# Altium PCB AMS_Master_A2.PcbDoc (part 2 of 2)
Units mm, origin at the board's own origin, x right, y up, seen from the top; angles counter-clockwise.
Board outline 126.75 x 132.97 mm, 4 copper layers (Top Layer, Int1 (GND), Int2 (PWR), Bottom Layer), stack 1.369 mm thick; 194 components, 123 nets, 628 pads, 351 vias.
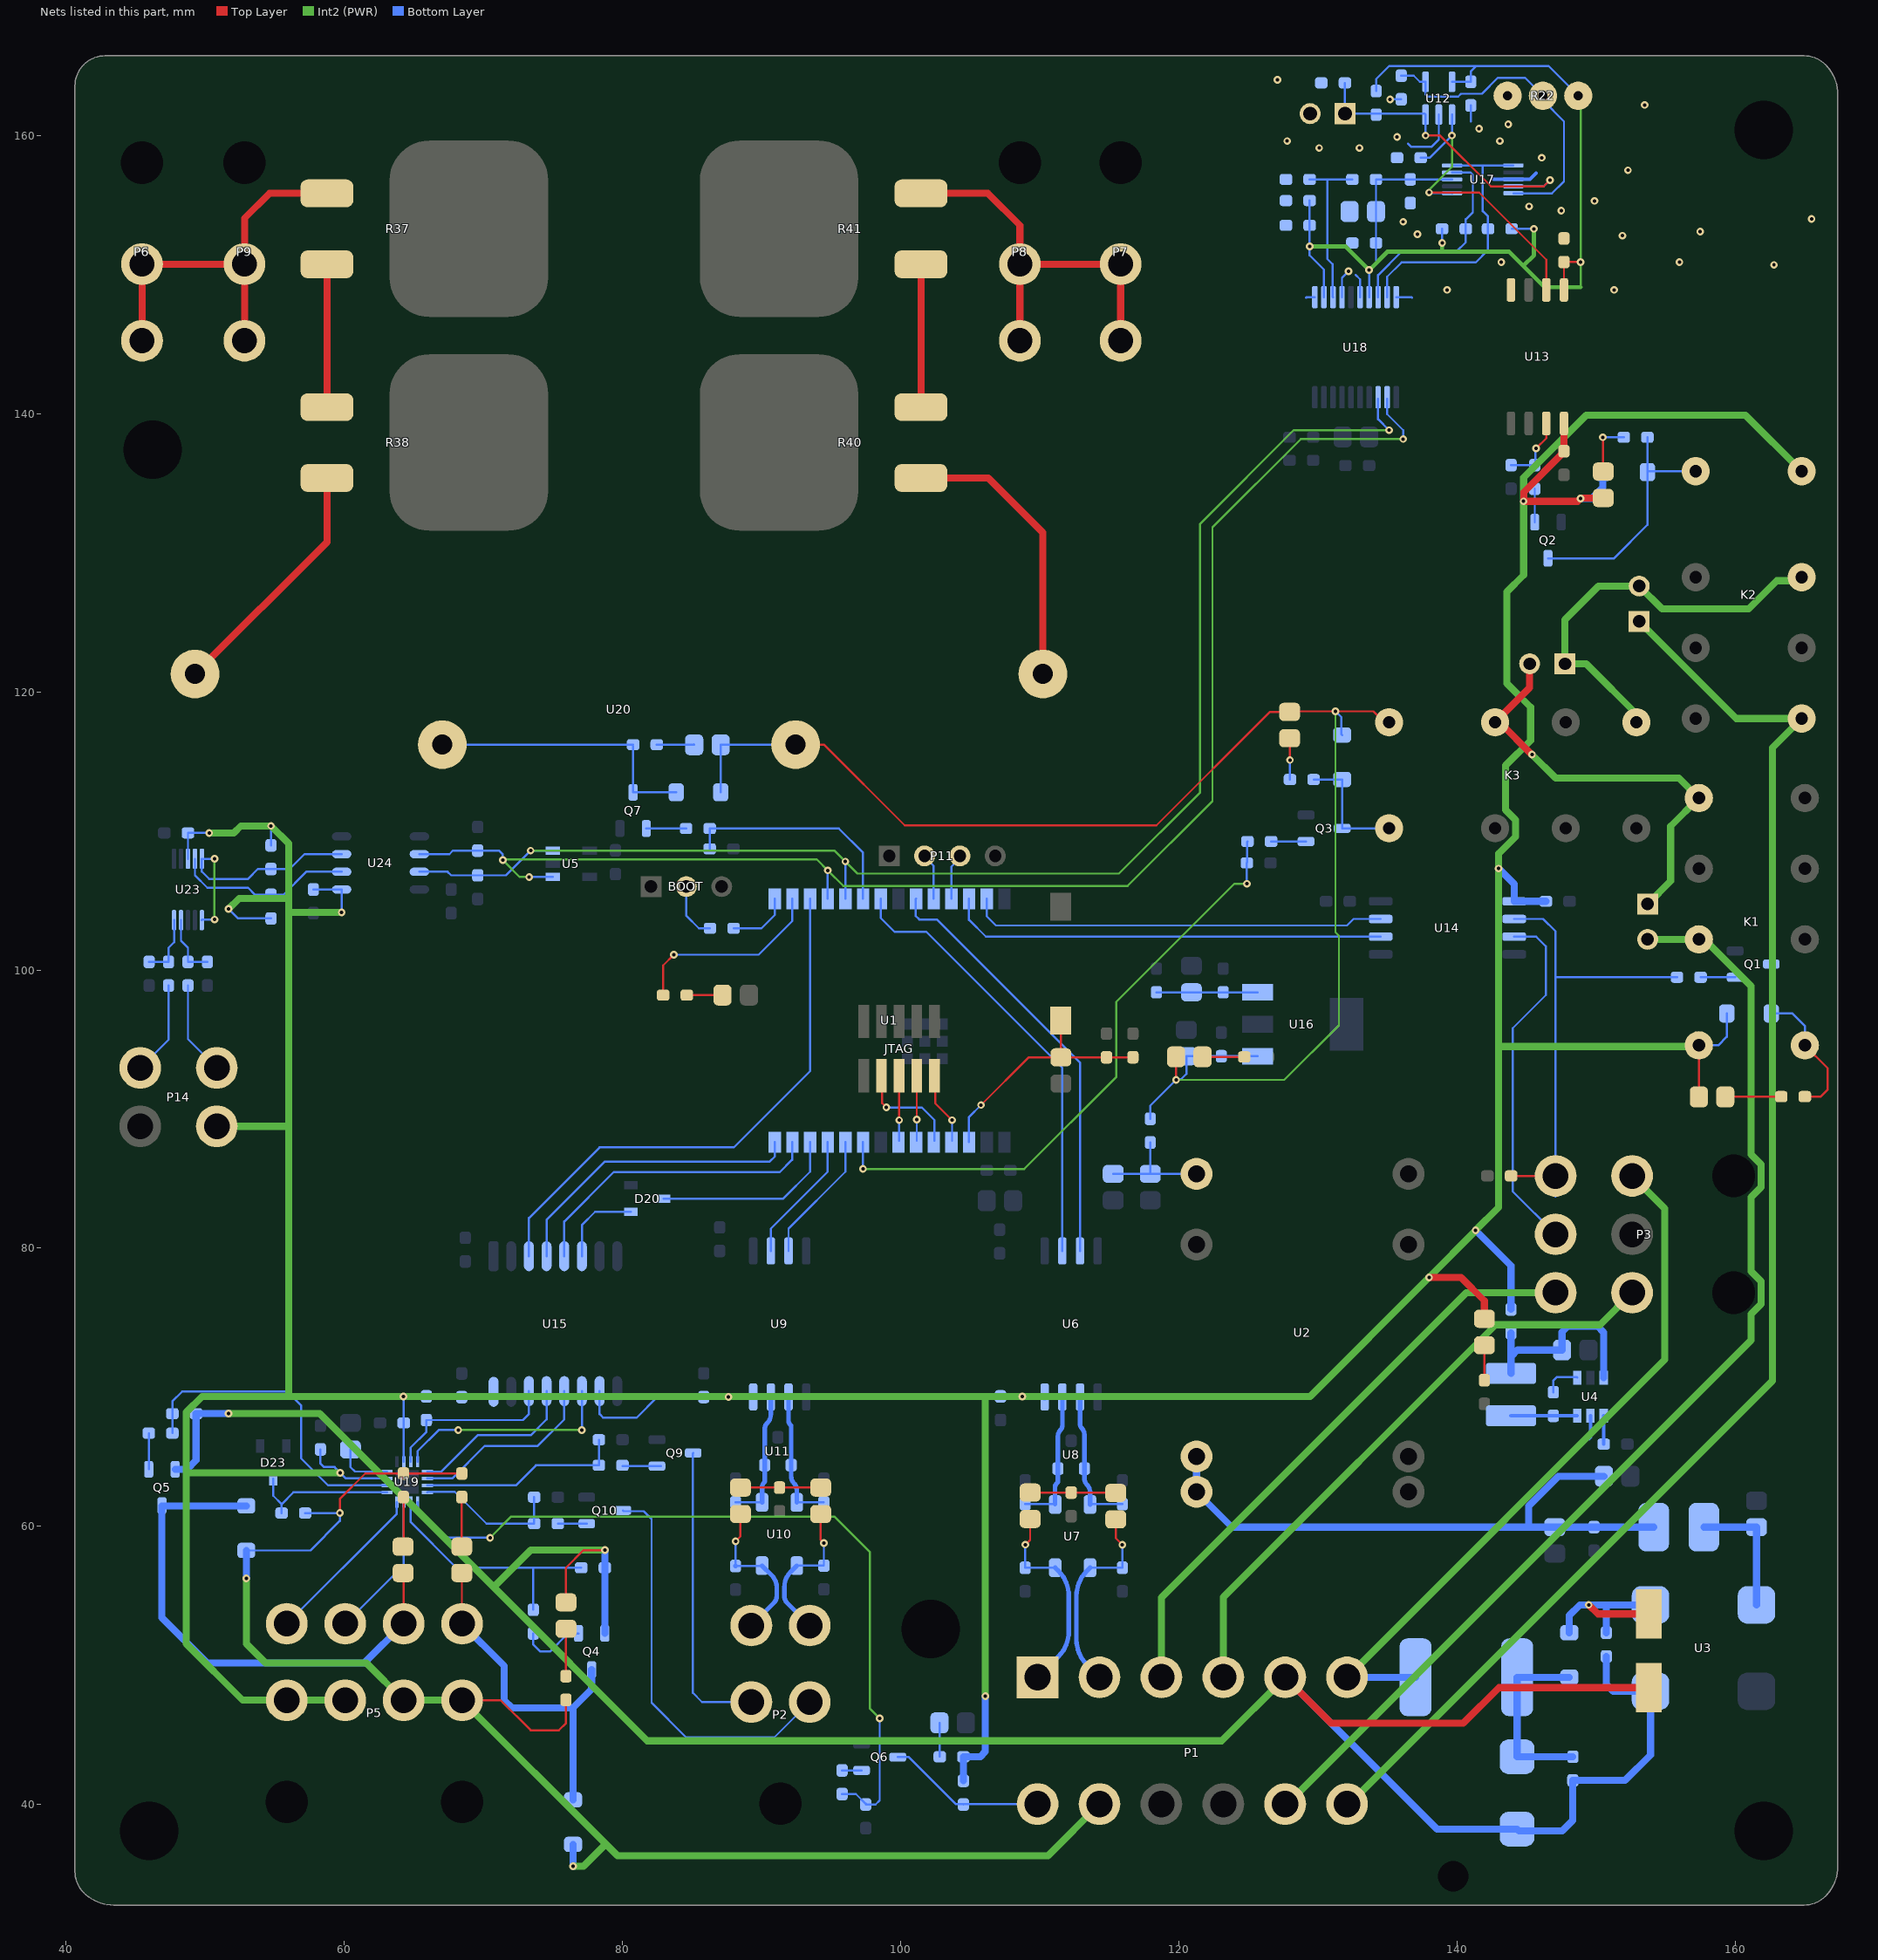
[diagram p4: the nets of this part, all layers, seen from the top]

## Via types
v1: diameter 0.55, hole 0.25, Top Layer to Bottom Layer, 351 vias

## Nets (pads, with @x,y where several pads share a name; then routed paths per layer and width w, separated by ;. In a path a pad name is that pad's centre, name@x,y a point inside that pad or via, vN(x,y) a via of type N, cw(c..) or ccw(c..) an arc to the next point about the centre after c; other vN are vias at no path point) (continued)
5V: C18.2 C25.2 C34.2 C36.2 C40.2 C55.2 C56.2 C59.2 C60.2 D4.A D5.A D6.K D7.A D8.K K1.16 K2.16 P5.5 P5.7 P14.2 R19.2 R21.2 R30.2 R47.2 R57.2 R58.2 U6.8 U9.8 U13.8 U14.1 U15.10 U15.16 U19.7 U19.10 U23.8 U24.1 | length 410
  Top Layer w0.152: D5.A@157.399,90.876 K1.16@157.399,94.585
  Top Layer w0.508: v1(138,77.9) 138.008,77.892 140.308,77.892 141.981,76.219 D4.A@141.981,74.924 ; U13.8@147.7,139.3 C34.2@147.7,137.3 147.7,137.25 144.808,134.358 144.808,133.708 v1(144.8,133.7) 148.689,133.7 148.9,133.911 v1@148.9,133.919 ; v1@148.9,133.938 D7.A@150.526,133.938
  Int2 (PWR) w0.508: 48.768,63.853 v1(59.719,63.853) ; v1(50.292,109.855) 52.07,109.855 52.578,110.363 v1(54.737,110.363) 56.007,109.093 56.007,105.156 ; P14.2@50.839,88.764 55.889,88.764 56.007,88.646 ; v1(51.685,104.39) 52.451,105.156 56.007,105.156 ; v1(59.817,104.14) 56.007,104.14 ; P5.5@60.071,47.498 P5.7@55.871,47.498 52.705,47.498 48.641,51.562 48.641,68.199 49.784,69.342 56.007,69.342 ; v1(106.1,47.8) 106.1,69.242 106,69.342 ; K1.16@157.399,94.585 157.314,94.5 143,94.5 ; K2.16@164.792,135.863 160.755,139.9 149.3,139.9 144.8,135.4 144.8,128.4 143.6,127.2 143.6,120.6 145.3,118.9 145.3,116.507 143.5,114.707 143.5,111.517 144.218,110.799 144.218,109.581 143,108.363 v1(143,107.3) 143,94.5 ; 56.007,69.342 56.007,88.646 ; 56.007,69.342 v1(64.262,69.342) 106,69.342 ; 56.007,88.646 56.007,104.14 ; 56.007,104.14 56.007,105.156 ; 106,69.342 129.442,69.342 v1(138,77.9) 141.343,81.243 141.343,81.272 143,82.929 143,94.5
  Bottom Layer w0.152: U23.8@48.768,107.991 C55.2@48.768,109.855 v1(50.292,109.855) ; v1(51.685,104.39) 52.369,103.706 R58.2@54.733,103.706 ; R57.2@54.733,108.962 54.735,108.964 54.735,110.361 v1(54.737,110.363) ; C56.2@57.785,105.791 U24.1@59.817,105.791 v1(59.817,104.14) ; C59.2@58.293,65.532 58.293,64.516 58.547,64.262 59.309,64.262 60.128,63.443 U19.7@63.078,63.443 ; v1(64.262,69.342) R19.2@65.913,69.342 65.938,69.317 68.428,69.317 C40.2@68.453,69.292 U15.16@70.485,69.292 ; U19.10@64.27,64.651 64.27,67.437 64.262,67.445 64.262,69.326 v1@64.27,69.334 ; U15.10@78.359,69.724 78.359,68.072 78.613,67.818 81.026,67.818 82.507,69.299 C25.2@85.852,69.299 v1(87.63,69.299) U9.8@89.408,69.299 ; C18.2@107.188,69.342 v1(108.754,69.342) U6.8@110.32,69.342 ; K1.16@157.399,94.585 158.796,94.585 159.406,95.195 D6.K@159.406,96.871
  Bottom Layer w0.508: R21.2@104.521,41.7 R30.2@104.521,43.434 105.734,43.434 106.1,43.8 v1(106.1,47.8) ; U6.8@110.32,69.342 U6.8@110.363,69.299 ; v1(141.351,81.28) 143.891,78.74 R47.2@143.891,75.6 ; v1(143,107.3) 144.119,106.181 U14.1@144.119,104.94 C36.2@146.4,104.94 ; v1(148.9,133.9) 149.7,133.9 150.5,134.7 D8.K@150.5,135.8
"5V (ISO)": C12.2 C13.2 D2.A D9.A D10.K D17.A D18.K K3.16 R44.2 U16.1 U20.2 | length 108.1
  Top Layer w0.152: U20.2@92.456,116.205 94.495,116.205 100.3,110.4 118.4,110.4 126.562,118.562 D9.A@127.974,118.562 128.012,118.6 v1(131.272,118.6) ; v1(119.811,92.1) D2.A@119.811,93.756 ; v1@131.272,118.562 131.31,118.6 134.006,118.6 134.796,117.81 K3.16@135.128,117.81
  Int2 (PWR) w0.152: v1(119.811,92.1) 127.589,92.1 131.521,96.032 131.521,102.462 131.272,102.712 v1(131.272,118.6)
  Bottom Layer w0.152: D18.K@87.071,112.776 87.071,116.186 87.09,116.205 U20.2@92.456,116.205 ; R44.2@117.957,89.3 117.957,90.246 v1(119.811,92.1) 119.858,92.147 120.172,92.147 120.553,92.528 C12.2@120.553,93.8 C13.2@123.067,93.8 U16.1@125.675,93.8 ; v1(131.272,118.6) 131.7,118.172 131.7,116.956 D10.K@131.756,116.9
AIR+: D12.A D15.K P5.4 Q5.D | length 37.7
  Top Layer w0.152: D15.K@64.236,56.642 64.271,56.607 P5.4@64.271,52.998
  Bottom Layer w0.508: D12.A@52.959,61.468 46.89,61.468 46.89,53.44 50.165,50.165 61.438,50.165 P5.4@64.271,52.998
AIR-: D11.A D14.K P5.2 Q4.D | length 25.5
  Top Layer w0.152: P5.2@68.462,53.007 D14.K@68.462,56.633
  Top Layer w0.508: D14.K@68.453,56.642 D14.K@68.462,56.633 ; P5.2@68.462,53.007 P5.2@68.471,52.998
  Bottom Layer w0.508: P5.2@68.471,52.998 71.501,49.968 71.501,47.498 72.055,46.944 76.44,46.944 ; D11.A@76.454,40.335 76.454,46.93 76.44,46.944 ; Q4.D@77.79,49.7 77.79,48.294 76.44,46.944
AIR_PWR_HEADER: D11.K D12.K P1.11 P5.1 P5.3 R28.2 R29.2 R43.2 R48.2 | length 112
  Top Layer w0.152: v1(59.69,60.96) 59.69,61.976 61.517,63.803 R29.2@64.262,63.803 R28.2@68.458,63.803 ; P5.1@68.471,47.498 71.247,47.498 73.406,45.339 75.438,45.339 75.946,45.847 R43.2@75.946,47.524 R43.2@75.92,47.498
  Int2 (PWR) w0.508: v1(52.959,56.261) 52.959,51.562 54.356,50.165 61.604,50.165 P5.3@64.271,47.498 P5.1@68.471,47.498 78.812,37.157 ; v1(76.454,35.56) 77.216,35.56 78.812,37.157 ; P1.11@114.305,40.029 110.598,36.322 79.647,36.322 78.812,37.157
  Bottom Layer w0.152: D12.K@52.959,58.268 57.568,58.268 59.69,60.39 v1(59.69,60.96) R48.2@57.2,60.96
  Bottom Layer w0.508: v1(52.959,56.261) D12.K@52.959,58.268 ; v1(76.454,35.56) D11.K@76.454,37.135
BOOT0: BOOT.2 R2.2 | length 4.2
  Bottom Layer w0.152: BOOT.2@84.6,106 84.6,103.9 85.5,103 R2.2@86.3,103
CAN1_N: C22.2 P1.2 R5.1 U7.2 | length 14.8
  Top Layer w0.152: R5.1@115.469,60.506 115.469,59.156 v1(115.951,58.674)
  Bottom Layer w0.152: U7.2@113.625,57.023 C22.2@115.951,57.023 v1(115.951,58.674)
  Bottom Layer w0.33: U7.2@113.625,57.023 113.394,56.792 ccw(c115.19,54.996) 112.65,54.996 112.65,51.856 ccw(c115.19,51.856) 113.394,50.06 P1.2@114.305,49.149
CAN1_P: C21.2 P1.1 R4.2 U7.1 | length 14.8
  Top Layer w0.152: v1(108.979,58.687) 109.321,59.029 R4.2@109.321,60.53
  Bottom Layer w0.152: v1(108.979,58.687) 108.972,58.68 108.972,57.029 C21.2@108.966,57.023 U7.1@111.125,57.023
  Bottom Layer w0.33: P1.1@109.855,49.149 111.356,50.65 ccw(c109.56,52.446) 112.1,52.446 112.1,54.996 ccw(c109.56,54.996) 111.356,56.792 U7.1@111.125,57.023
CAN1_RX: U1.23 U6.3 | length 31
  Bottom Layer w0.152: U1.23@101.117,105.124 101.092,105.099 101.092,103.886 101.346,103.632 102.616,103.632 112.903,93.345 U6.3@112.903,79.799
CAN1_TX: U1.21 U6.2 | length 32.1
  Bottom Layer w0.152: U1.21@98.577,105.124 98.577,103.734 99.568,102.743 101.854,102.743 111.633,92.964 U6.2@111.633,79.799
CAN1F_N: C23.2 U6.6 U7.3 U8.1 | length 10.1
  Bottom Layer w0.152: U7.3@113.625,61.573 113.647,61.595 C23.2@115.951,61.595
  Bottom Layer w0.33: U6.6@112.903,69.172 112.903,67.363 ccw(c113.337,67.363) 113.03,67.056 cw(c112.576,66.602) 113.218,66.602 U8.1@113.218,64.151 113.218,63.458 ccw(c113.877,63.458) 113.411,62.992 cw(c112.894,62.475) 113.625,62.475 U7.3@113.625,61.573
CAN1F_P: C24.2 U6.7 U7.4 U8.2 | length 9.9
  Bottom Layer w0.152: C24.2@108.966,61.595 U7.4@111.103,61.595
  Bottom Layer w0.33: U7.4@111.103,61.595 111.103,62.759 cw(c111.612,62.759) 111.252,63.119 ccw(c111.093,63.278) 111.318,63.278 U8.2@111.318,64.151 111.318,66.475 cw(c111.96,66.475) 111.506,66.929 ccw(c111.199,67.236) 111.633,67.236 U6.7@111.633,69.172
CAN2_N: C29.2 P2.2 R7.1 U10.2 | length 11.1
  Top Layer w0.152: R7.1@94.26,60.887 94.26,59.029 v1(94.488,58.801)
  Bottom Layer w0.152: U10.2@92.543,57.172 C29.2@94.488,57.172 v1(94.488,58.801)
  Bottom Layer w0.33: U10.2@92.543,57.172 92.107,56.736 ccw(c93.216,55.626) 91.647,55.626 91.647,54.991 ccw(c92.359,54.991) 91.856,54.487 P2.2@93.472,52.871
CAN2_P: C28.2 P2.4 R6.2 U10.1 | length 11.2
  Top Layer w0.152: v1(88.138,58.928) 88.493,59.283 R6.2@88.493,60.887
  Bottom Layer w0.152: C28.2@88.138,57.15 v1(88.138,58.928) ; C28.2@88.149,57.161 U10.1@90.032,57.161
  Bottom Layer w0.33: C28.2@88.138,57.15 C28.2@88.149,57.161 ; P2.4@89.272,52.871 90.888,54.487 ccw(c90.385,54.991) 91.097,54.991 91.097,55.626 ccw(c89.909,55.626) 90.749,56.466 U10.1@90.043,57.172 U10.1@90.032,57.161
CAN2_RX: U1.10 U9.3 | length 9.5
  Bottom Layer w0.152: U9.3@91.948,79.799 91.948,81.407 96.037,85.496 U1.10@96.037,87.624
CAN2_TX: U1.11 U9.2 | length 9.5
  Bottom Layer w0.152: U9.2@90.678,79.799 90.678,81.407 94.767,85.496 U1.11@94.767,87.624
CAN2F_N: C30.2 U9.6 U10.3 U11.1 | length 9.7
  Bottom Layer w0.152: U10.3@92.543,61.722 C30.2@94.488,61.722
  Bottom Layer w0.33: U9.6@91.948,69.299 91.948,67.617 ccw(c92.382,67.617) 92.075,67.31 cw(c91.928,67.163) 92.136,67.163 U11.1@92.136,64.405 92.136,63.585 ccw(c92.795,63.585) 92.329,63.119 cw(c91.812,62.602) 92.543,62.602 U10.3@92.543,61.722
CAN2F_P: C31.2 U9.7 U10.4 U11.2 | length 9.7
  Bottom Layer w0.152: C31.2@88.138,61.722 U10.4@90.043,61.722
  Bottom Layer w0.33: U10.4@90.043,61.722 90.043,62.812 cw(c90.477,62.812) 90.17,63.119 ccw(c90.011,63.278) 90.236,63.278 U11.2@90.236,64.405 90.236,66.983 cw(c90.878,66.983) 90.424,67.437 ccw(c89.811,68.05) 90.678,68.05 U9.7@90.678,69.299
Charge_En: P2.1 Q10.D | length 29
  Bottom Layer w0.152: Q10.D@80.04,61.146 80.099,61.087 81.534,61.087 82.1,60.521 82.1,47.313 84.582,44.831 90.932,44.831 P2.1@93.472,47.371
Charge_Ready: P2.3 Q9.D | length 21.7
  Bottom Layer w0.152: Q9.D@85.09,65.278 85.064,65.252 85.064,48.032 85.725,47.371 P2.3@89.272,47.371
"CHASSIS REF": P1.4 P3.5 | length 44.2
  Int2 (PWR) w0.508: P1.4@123.205,49.149 123.205,54.905 142.793,74.493 150.293,74.493 P3.5@152.6,76.8
CLK_ADC: U15.13 U19.13 | length 12.2
  Bottom Layer w0.152: U19.13@65.978,63.943 66.991,63.943 69.596,66.548 73.406,66.548 74.549,67.691 U15.13@74.549,69.724
CS_ADC: R19.1 U15.14 U19.11 | length 12.7
  Bottom Layer w0.152: U19.11@64.778,64.643 64.778,65.667 65.913,66.802 R19.1@65.913,67.642 72.849,67.642 73.279,68.072 U15.14@73.279,69.724
DEBUG: R8.1 U1.16 | length 14.3
  Top Layer w0.152: R8.1@82.931,98.197 82.931,100.331 v1(83.7,101.1)
  Bottom Layer w0.152: v1(83.7,101.1) 89.797,101.1 92.227,103.53 U1.16@92.227,105.124
dIP_AIR+_FB: P5.8 U19.4 | length 12
  Bottom Layer w0.152: P5.8@55.871,52.998 63.778,60.905 U19.4@63.778,61.743
dIP_AIR-_FB: P5.6 U19.3 | length 10.5
  Bottom Layer w0.152: P5.6@60.071,52.998 64.278,57.205 U19.3@64.278,61.743
dIP_IMD_DATA: U1.26 U14.6 | length 31.6
  Bottom Layer w0.152: U1.26@104.927,105.124 104.927,103.607 106.134,102.4 U14.6@134.519,102.4
dIP_IMD_OK: U1.27 U14.7 | length 30.1
  Bottom Layer w0.152: U1.27@106.197,105.124 106.197,103.861 106.858,103.2 132.1,103.2 132.57,103.67 U14.7@134.519,103.67
dIP_SPI_MISO: D20.K U1.12 | length 13.5
  Bottom Layer w0.152: D20.K@82.963,83.566 86.106,83.566 91.567,83.566 93.497,85.496 U1.12@93.497,87.624
"DISCHARGE DISABLE": P1.12 Q6.D R21.1 | length 11.5
  Bottom Layer w0.152: Q6.D@99.8,43.405 100.595,43.405 103.982,40.018 104.503,40.018 R21.1@104.521,40 104.55,40.029 P1.12@109.855,40.029
dOP_AIR+: R11.1 R35.1 U19.6 | length 23
  Bottom Layer w0.152: R11.1@47.65,66.7 R35.1@47.65,68.1 47.65,68.995 48.355,69.7 55.9,69.7 56.896,68.704 56.896,64.897 58.85,62.943 U19.6@63.078,62.943
dOP_AIR-: R10.1 R34.1 U19.2 | length 18.1
  Bottom Layer w0.152: U19.2@64.778,61.743 64.77,61.735 64.77,60.325 68.072,57.023 73.6,57.023 ; R10.1@73.6,54 73.6,57.023 ; R34.1@77.04,57.023 73.6,57.023
dOP_CHARGE_EN: R32.1 R52.1 U19.16 | length 10.5
  Bottom Layer w0.152: U19.16@65.978,62.443 66.019,62.484 67.945,62.484 70.231,60.198 R52.1@73.66,60.198 R32.1@73.66,62.096
dOP_CHARGE_RDY: R23.1 R50.1 U19.15 | length 14.8
  Bottom Layer w0.152: U19.15@65.978,62.943 72.341,62.943 73.787,64.389 R50.1@78.31,64.389 R23.1@78.31,66.228
"dOP_DISCHARGE DISABLE": R31.1 R36.1 U19.1 | length 57
  Int2 (PWR) w0.152: v1(70.485,59.182) 72.009,60.706 95.25,60.706 97.79,58.166 97.79,46.91 v1(98.5,46.2)
  Bottom Layer w0.152: U19.1@65.278,61.743 65.278,60.96 67.056,59.182 v1(70.485,59.182) ; R31.1@95.8,40.755 96.795,40.755 97.5,40.05 R36.1@97.5,40 98.2,40 98.5,40.3 v1(98.5,46.2)
dOP_PRECHARGE_RLY: R9.1 R42.1 U1.20 | length 16.5
  Bottom Layer w0.152: R9.1@86.282,108.712 R42.1@86.282,110.176 95.564,110.176 97.307,108.433 U1.20@97.307,105.124
dOP_SPI_MOSI: U1.13 U15.5 | length 22
  Bottom Layer w0.152: U15.5@75.819,79.426 75.819,81.915 79.375,85.471 91.313,85.471 92.202,86.36 92.202,87.599 U1.13@92.227,87.624
dOP_SPI_nSS: U1.17 U15.3 | length 39.7
  Bottom Layer w0.152: U15.3@73.279,79.426 73.279,82.169 78.359,87.249 88.011,87.249 93.497,92.735 U1.17@93.497,105.124
dOP_SPI_SCK: U1.14 U15.4 | length 21.9
  Bottom Layer w0.152: U15.4@74.549,79.426 74.549,82.042 78.74,86.233 83.82,86.233 90.601,86.233 90.957,86.589 U1.14@90.957,87.624
GL_IN: IMD.2 K1.13 P1.8 | length 82.9
  Int2 (PWR) w0.508: P1.8@127.63,39.854 161.163,73.387 161.163,75.264 161.879,75.98 161.879,77.62 161.163,78.336 161.163,83.664 161.879,84.38 161.879,86.02 161.163,86.736 161.163,98.837 157.795,102.205 IMD.2@153.716,102.205
GL_IN_2: AMS.2 IMD.1 K1.9 K3.13 | length 31.3
  Top Layer w0.508: AMS.2@145.234,122.02 145.234,120.296 K3.13@142.748,117.81 143.079,117.81 145.389,115.5 v1(145.4,115.5)
  Int2 (PWR) w0.508: v1(145.4,115.5) 147.1,113.8 155.964,113.8 K1.9@157.399,112.365 155.367,110.333 155.367,106.396 IMD.1@153.716,104.745
GL_OUT: K2.9 P1.7 PDOC.1 | length 106.4
  Int2 (PWR) w0.508: P1.7@132.08,39.854 162.687,70.461 162.687,115.978 K2.9@164.792,118.083 160.093,118.083 PDOC.1@153.108,125.068
GL_PDOC_IN: AMS.1 K2.13 K3.9 PDOC.2 | length 29.7
  Int2 (PWR) w0.508: K3.9@153.108,118.21 149.298,122.02 AMS.1@147.774,122.02 147.774,125.195 150.187,127.608 PDOC.2@153.108,127.608 154.759,125.957 160.982,125.957 163.014,127.989 164.538,127.989 K2.13@164.792,128.243
GLV+: F1.1 P1.6 P3.1 | length 51.4
  Int2 (PWR) w0.508: P1.6@132.105,49.149 154.94,71.984 154.94,82.86 P3.1@152.6,85.2
  Bottom Layer w0.508: P1.6@132.105,49.149 F1.1@137.033,49.149
GLV-: C6.1 C7.1 C8.1 D3.A D19.K P1.5 Q4.S Q5.S R34.2 R35.2 U3.4 | length 189.3
  Top Layer w0.152: D19.K@75.946,54.532 75.946,57.023 77.216,58.293 v1(78.74,58.293)
  Top Layer w0.508: P1.5@127.655,49.149 130.957,45.847 140.462,45.847 143.019,48.404 C8.1@153.797,48.404
  Int2 (PWR) w0.508: v1(51.689,68.118) 58.247,68.118 70.739,55.626 ; v1(78.74,58.293) 73.406,58.293 70.739,55.626 ; P1.5@127.655,49.149 123.083,44.577 81.788,44.577 70.739,55.626
  Bottom Layer w0.508: Q5.S@47.85,64.1 48.7,64.1 49.35,64.75 R35.2@49.35,68.1 49.368,68.118 v1(51.689,68.118) ; Q4.S@78.74,52.3 R34.2@78.74,57.023 v1(78.74,58.293) ; P1.5@127.655,49.149 138.57,38.234 D3.A@144.333,38.234 144.467,38.1 147.574,38.1 148.336,38.862 C6.1@148.336,41.734 152.097,41.734 153.924,43.561 U3.4@153.924,48.136 151.254,48.136 150.749,48.641 C7.1@150.749,50.649
"GLV- REF": P1.3 P3.6 | length 43.2
  Int2 (PWR) w0.508: P1.3@118.755,49.149 118.755,54.874 140.681,76.8 P3.6@147.1,76.8
GND_PDOC: C33.1 C39.1 C41.1 C42.1 C43.1 C44.2 C45.2 C46.1 C47.1 P10.1 R22.3 R27.1 R49.1 U12.2 U13.4 U17.3 U18.11 U18.14 U18.16 U18.20 | length 15.2
  Bottom Layer w0.152: 129.159,148.336 129.203,148.38 U18.11@129.79,148.38 ; U18.14@131.74,148.38 131.74,149.774 v1(132.207,150.241) ; 132.715,149.987 133.04,149.662 U18.16@133.04,148.38 ; v1(135.2,162.6) C42.1@136,162.6 ; U18.20@135.64,148.38 136.735,148.38 136.779,148.336 ; 136.5,159.4 136.7,159.2 138.2,159.2 138.7,159.7 U12.2@138.7,161.5 ; 141,161 C41.1@141,162.162
  Bottom Layer w0.25: 142.6,156.9 142.655,156.845 U17.3@144.059,156.845 145.245,156.845 145.7,157.3
  other v1: 139.3,148.9 151.3,148.9 162.8,150.7 143.2,150.9 156,150.9 151.9,152.8 137.16,152.908 157.5,153.1 136.144,153.797 165.5,154 147.5,154.6 145.2,154.9 149.9,155.3 152.3,157.5 146.1,158.4 130.1,159.1 133,159.1 127.8,159.6 143.1,159.6 135.7,159.9 141.6,160.5 143.7,160.8 153.5,162.2 127.1,164
H_REF: P14.4 R53.1 | length 6.8
  Bottom Layer w0.152: R53.1@48.768,98.884 48.768,95.035 P14.4@50.839,92.964
HIGH_REF: C52.2 R53.2 U23.4 | length 4.6
  Bottom Layer w0.152: U23.4@48.268,103.591 48.268,102.1 48.768,101.6 R53.2@48.768,100.584 C52.2@50.165,100.584
"HV Battery+": P7.1 P7.2 P8.1 P8.2 R41.2 | length 29.1
  Top Layer w0.508: R41.2@101.473,155.839 106.289,155.839 108.585,153.543 P8.1@108.585,150.749 ; P8.2@108.585,145.249 P8.1@108.585,150.749 ; P7.2@115.824,145.249 P7.1@115.824,150.749 P8.1@108.585,150.749
"HV MC+": P6.1 P6.2 P9.1 P9.2 R37.1 | length 28.3
  Top Layer w0.508: P6.2@45.466,145.249 P6.1@45.466,150.749 P9.1@52.832,150.749 ; P9.2@52.832,145.249 P9.1@52.832,150.749 ; R37.1@58.761,155.839 54.62,155.839 52.832,154.051 P9.1@52.832,150.749
I2C1_SCL: R56.1 U1.18 U5.1 U18.2 U24.6 | length 106.5
  Int2 (PWR) w0.152: v1(73.3,106.685) 72.615,106.685 v1(71.4,107.9) 71.45,107.95 93.98,107.95 v1(94.767,107.163) 95.885,106.045 116.332,106.045 122.428,112.141 122.428,131.826 128.778,138.176 v1(136.144,138.176)
  Bottom Layer w0.152: U24.6@65.405,108.331 67.564,108.331 67.818,108.585 R56.1@69.596,108.585 71.12,108.585 71.399,108.306 71.399,107.901 v1(71.4,107.9) ; v1(73.3,106.685) U5.1@75.002,106.685 ; U1.18@94.767,105.124 v1(94.767,107.163) ; U18.2@134.99,141.053 134.99,139.965 136.144,138.811 v1(136.144,138.176)
I2C1_SDA: R55.1 U1.19 U5.3 U18.3 U24.7 | length 102.6
  Int2 (PWR) w0.152: v1(73.406,108.585) 95.25,108.585 96.901,106.934 115.697,106.934 121.539,112.776 121.539,132.08 128.27,138.811 v1(135.128,138.811)
  Bottom Layer w0.152: U24.7@65.405,107.061 67.437,107.061 67.691,106.807 R55.1@69.596,106.807 71.628,106.807 v1(73.406,108.585) U5.3@75.002,108.585 ; U1.19@96.037,105.124 v1(96.037,107.798) ; U18.3@134.34,141.053 134.34,139.599 v1(135.128,138.811)
"IMD Data": P3.4 U14.3 | length 26.2
  Bottom Layer w0.152: U14.3@144.119,102.4 145.7,102.4 146.4,101.7 146.4,98.2 144.018,95.818 144.018,84.082 P3.4@147.1,81 P3.4@147.56,80.54
"IMD OK": P3.2 R13.1 R33.1 U14.2 | length 34.4
  Top Layer w0.152: R33.1@143.9,85.2 P3.2@147.1,85.2
  Bottom Layer w0.152: U14.2@144.119,103.67 146.207,103.67 147.1,102.777 147.1,99.5 ; P3.2@147.1,83.706 P3.2@147.1,85.2 147.1,99.5 ; R13.1@155.826,99.477 147.123,99.477 147.1,99.5
L_REF: P14.3 R54.1 | length 6.8
  Bottom Layer w0.152: P14.3@45.339,92.964 47.371,94.996 R54.1@47.371,98.884
LOW_REF: C53.2 R54.2 U23.5 | length 4.6
  Bottom Layer w0.152: C53.2@45.974,100.584 R54.2@47.371,100.584 47.371,101.6 47.768,101.997 U23.5@47.768,103.591
MISO_ADC: U15.11 U19.12 | length 16
  Int2 (PWR) w0.152: v1(68.199,66.929) v1(77.089,66.929)
  Bottom Layer w0.152: U19.12@65.278,64.643 65.278,65.405 66.802,66.929 v1(68.199,66.929) ; v1(77.089,66.929) U15.11@77.089,69.724
MOSI_ADC: U15.12 U19.14 | length 13.6
  Bottom Layer w0.152: U19.14@65.978,63.443 67.761,63.443 70.104,65.786 73.914,65.786 75.819,67.691 U15.12@75.819,69.724
NetC1_2: C1.2 C2.2 R44.1 U2.14 | length 8.3
  Bottom Layer w0.152: C2.2@115.29,85.344 C1.2@117.957,85.344 ; R44.1@117.957,87.6 C1.2@117.957,85.344 ; U2.14@121.285,85.344 C1.2@117.957,85.344
NetC3_2: C3.2 L1.2 U3.2 | length 9.4
  Bottom Layer w0.508: L1.2@157.756,59.944 C3.2@161.544,59.944 U3.2@161.544,54.356
NetC6_2: C6.2 D1.A D3.K F1.2 | length 13.5
  Bottom Layer w0.508: D1.A@148.082,49.149 F1.2@144.333,49.149 D3.K@144.333,43.434 C6.2@148.336,43.434
NetC10_1: C10.1 L2.2 U4.6 | length 4.8
  Bottom Layer w0.254: L2.2@143.891,67.945 C10.1@146.939,67.945 U4.6@148.656,67.945
NetC10_2: C10.2 U4.1 | length 2.7
  Bottom Layer w0.152: C10.2@146.939,69.645 146.939,70.485 147.193,70.739 148.612,70.739 U4.1@148.656,70.695
NetC14_2: C14.2 C15.2 R46.1 U16.3 | length 7.3
  Bottom Layer w0.152: R46.1@118.4,98.4 C14.2@120.914,98.4 C15.2@123.2,98.4 U16.3@125.675,98.4
NetC17_2: C17.2 L2.1 R47.1 U4.3 | length 15.9
  Bottom Layer w0.508: R47.1@143.891,73.9 143.891,71.014 143.9,71.004 143.9,72.209 144.365,72.674 C17.2@147.562,72.674 147.562,73.962 148,74.4 150.1,74.4 150.556,73.944 U4.3@150.556,70.695
NetC20_2: C20.2 R4.1 R5.2 | length 6.2
  Top Layer w0.152: R4.1@109.321,62.43 109.333,62.418 115.457,62.418 R5.2@115.469,62.406
NetC27_2: C27.2 R6.1 R7.2 | length 5.8
  Top Layer w0.152: R6.1@88.493,62.787 91.339,62.787 R7.2@94.26,62.787
NetC39_2: C39.2 P10.2 R18.1 U12.3 U17.4 | length 23
  Top Layer w0.152: v1(137.75,160) 138.794,160 142.449,156.345 146.245,156.345 v1(146.7,156.8)
  Bottom Layer w0.152: C39.2@131.95,163.784 P10.2@131.95,161.574 134.49,161.574 137.676,161.574 U12.3@137.75,161.5 v1(137.75,160) ; U17.4@144.059,156.345 146.245,156.345 v1(146.7,156.8)
NetC58_2: C58.2 U19.8 | length 4
  Bottom Layer w0.152: C58.2@60.452,65.532 60.452,64.262 60.771,63.943 U19.8@63.078,63.943
NetD2_K: D2.K R1.2 | length 3
  Top Layer w0.152: D2.K@121.765,93.756 R1.2@124.715,93.756
NetD4_K: D4.K R3.2 | length 2.5
  Top Layer w0.152: R3.2@141.981,70.508 D4.K@141.981,73.024
NetD5_K: D5.K R12.2 | length 4
  Top Layer w0.152: D5.K@159.299,90.876 159.325,90.902 R12.2@163.319,90.902
NetD6_A: D6.A K1.1 Q1.D R12.1 | length 13.5
  Top Layer w0.152: R12.1@165.019,90.902 166.162,90.902 166.67,91.41 166.67,92.934 K1.1@165.019,94.585
  Bottom Layer w0.152: Q1.D@162.606,100.427 D6.A@162.606,96.871 164.13,96.871 165.019,95.982 K1.1@165.019,94.585
NetD7_K: D7.K R15.2 | length 4
  Top Layer w0.152: v1(150.5,138.3) 150.5,135.864 D7.K@150.526,135.838
  Bottom Layer w0.152: v1(150.5,138.3) R15.2@152,138.3
NetD8_A: D8.A K2.1 Q2.D R15.1 | length 17.9
  Bottom Layer w0.152: Q2.D@146.55,129.6 151.3,129.6 153.7,132 D8.A@153.7,135.8 ; R15.1@153.7,138.3 D8.A@153.7,135.8 ; K2.1@157.172,135.863 153.763,135.863 D8.A@153.7,135.8
NetD9_K: D9.K R16.2 | length 3
  Top Layer w0.152: D9.K@127.974,116.662 128,116.636 v1(128,115.1)
  Bottom Layer w0.152: R16.2@128,113.7 v1(128,115.1)
NetD10_A: D10.A K3.1 Q3.D R16.1 | length 8.9
  Bottom Layer w0.152: R16.1@129.7,113.7 D10.A@131.756,113.7 Q3.D@131.756,110.19 K3.1@135.128,110.19
NetD13_A: D13.A R30.1 | length 2.4
  Bottom Layer w0.152: D13.A@102.797,45.873 102.821,45.849 R30.1@102.821,43.434
NetD14_A: D14.A R28.1 | length 3.6
  Top Layer w0.152: D14.A@68.453,58.542 68.458,58.547 R28.1@68.458,62.103
NetD15_A: D15.A R29.1 | length 3.6
  Top Layer w0.152: D15.A@64.236,58.542 64.262,58.568 R29.1@64.262,62.103
NetD16_K: D16.K R8.2 | length 2.6
  Top Layer w0.152: R8.2@84.631,98.197 D16.K@87.2,98.197
NetD17_K: D17.K R39.2 | length 2.7
  Bottom Layer w0.152: R39.2@82.472,116.205 D17.K@85.142,116.205 ; D17.K@85.142,116.218 D17.K@85.168,116.192
NetD18_A: D18.A Q7.D R39.1 U20.3 | length 20.1
  Bottom Layer w0.152: U20.3@67.056,116.205 R39.1@80.772,116.205 ; R39.1@80.772,116.078 Q7.D@80.772,112.776 D18.A@83.871,112.776
NetD19_A: D19.A R43.1 | length 3.4
  Top Layer w0.152: R43.1@75.946,49.224 D19.A@75.946,52.632
NetD20_A: D20.A U15.6 | length 6.2
  Bottom Layer w0.152: U15.6@77.089,79.426 77.089,81.661 78.044,82.616 D20.A@80.613,82.616
NetD23_K: D23.K R48.1 U19.5 | length 10.6
  Bottom Layer w0.152: D23.K@54.9,63.425 54.9,62.2 55.5,61.6 ; R48.1@55.5,60.96 55.5,61.6 ; U19.5@63.078,62.443 56.343,62.443 55.5,61.6
NetQ1_G: Q1.G R13.2 | length 2.5
  Bottom Layer w0.152: R13.2@157.526,99.477 Q1.G@160.006,99.477
NetQ2_G: Q2.G R14.2 | length 2.4
  Bottom Layer w0.152: Q2.G@145.6,132.2 R14.2@145.6,134.6
NetQ3_G: Q3.G R17.2 | length 2.5
  Bottom Layer w0.152: R17.2@126.646,109.24 Q3.G@129.156,109.24
NetQ4_G: Q4.G R10.2 | length 4.8
  Bottom Layer w0.152: R10.2@73.6,52.3 73.6,51.5 74.1,51 74.8,51 76.1,52.3 Q4.G@76.84,52.3
NetQ5_G: Q5.G R11.2 | length 2.6
  Bottom Layer w0.152: Q5.G@45.95,64.1 R11.2@45.95,66.7
NetQ6_G: Q6.G R31.2 | length 1.4
  Bottom Layer w0.152: R31.2@95.8,42.455 Q6.G@97.2,42.455
NetQ7_G: Q7.G R42.2 | length 2.9
  Bottom Layer w0.152: Q7.G@81.722,110.176 R42.2@84.582,110.176
NetQ9_G: Q9.G R50.2 | length 2.8
  Bottom Layer w0.152: R50.2@80.01,64.328 Q9.G@82.49,64.328 Q9.G@82.774,64.328
NetQ10_G: Q10.G R52.2 | length 2.1
  Bottom Layer w0.152: R52.2@75.361,60.197 77.439,60.197 Q10.G@77.44,60.196
NetR2_1: R2.1 U1.15 | length 4.5
  Bottom Layer w0.152: R2.1@88,103 90,103 90.957,103.957 U1.15@90.957,105.124
NetR14_1: R14.1 R20.1 U13.7 | length 5
  Top Layer w0.152: v1(145.7,137.5) 146.43,138.23 U13.7@146.43,139.3
  Bottom Layer w0.152: R20.1@143.9,136.3 R14.1@145.6,136.3 145.65,136.35 145.65,137.45 v1(145.7,137.5)
NetR17_1: R17.1 R45.1 U1.9 | length 44.2
  Int2 (PWR) w0.152: v1(97.3,85.7) 108.9,85.7 115.5,92.3 115.5,97.7 124,106.2 v1(124.9,106.2)
  Bottom Layer w0.152: v1(97.3,85.7) 97.307,85.707 U1.9@97.307,87.624 ; v1(124.9,106.2) R45.1@124.9,107.7 124.923,107.723 124.923,109.217 R17.1@124.946,109.24
NetR24_1: R24.1 U17.1 U17.10 U18.19 | length 20.2
  Bottom Layer w0.152: U18.19@134.99,148.38 134.99,149.849 136.017,150.876 141.351,150.876 142.24,151.765 R24.1@142.24,153.289 142.24,154.178 141.859,154.559 141.859,157.845 ; U17.10@139.659,157.845 141.859,157.845 ; U17.1@144.059,157.845 141.859,157.845
NetR25_1: R25.1 U17.9 U18.18 | length 15.5
  Bottom Layer w0.152: U18.18@134.34,148.38 134.34,149.961 136.017,151.638 139.954,151.638 140.638,152.322 140.638,153.973 141.146,154.481 141.146,157.177 140.978,157.345 U17.9@139.659,157.345
NetR37_2: R37.2 R38.1 | length 10.3
  Top Layer w0.508: R38.1@58.761,140.472 R37.2@58.761,150.739
NetR38_2: R38.2 U20.4 | length 18
  Top Layer w0.508: U20.4@49.276,121.285 58.761,130.77 R38.2@58.761,135.372
NetR40_1: R40.1 U20.1 | length 20.5
  Top Layer w0.508: R40.1@101.473,135.372 106.309,135.372 110.236,131.445 U20.1@110.236,121.285
NetR40_2: R40.2 R41.1 | length 10.3
  Top Layer w0.508: R40.2@101.473,140.472 R41.1@101.473,150.739
NetR57_1: R57.1 U23.1 U23.10 U24.3 | length 18.1
  Int2 (PWR) w0.152: v1(50.673,103.632) v1(50.673,107.991)
  Bottom Layer w0.152: U23.1@49.768,103.591 49.809,103.632 v1(50.673,103.632) ; v1(50.673,107.991) U23.10@49.768,107.991 49.768,107.077 50.292,106.553 53.086,106.553 53.795,107.262 R57.1@54.733,107.262 56.081,107.262 57.15,108.331 U24.3@59.817,108.331
NetR58_1: R58.1 U23.9 U24.2 | length 13
  Bottom Layer w0.152: U23.9@49.268,107.991 49.268,106.815 50.165,105.918 53.086,105.918 53.598,105.406 R58.1@54.733,105.406 55.622,105.406 57.277,107.061 U24.2@59.817,107.061
NRST: C61.1 C62.2 R60.2 S1.1 U1.3 | length 18
  Top Layer w0.152: v1(105.791,90.297) 109.22,93.726 C62.2@111.532,93.726 ; S1.1@111.506,96.357 111.532,96.331 C62.2@111.532,93.726 ; R60.2@116.713,93.726 C61.1@114.808,93.726 C62.2@111.532,93.726
  Bottom Layer w0.152: U1.3@104.927,87.624 104.927,89.433 v1(105.791,90.297)
PDOC-REF: C42.2 R22.2 U12.4 U17.5 | length 23.2
  Bottom Layer w0.152: C42.2@136,164.3 136.9,164.3 137.338,163.862 U12.4@137.75,163.862 137.75,162.95 137.9,162.8 140.1,162.8 140.3,163 141.8,163 142.951,164.151 144.894,164.151 R22.2@146.186,162.859 146.186,162.526 147.7,161.012 147.7,156.7 146.834,155.834 U17.5@144.07,155.834
PDOC_OK: R49.2 U12.1 U13.2 U17.6 | length 23.5
  Top Layer w0.152: v1(138,155.9) 141.6,155.9 146.43,151.07 U13.2@146.43,148.9
  Int2 (PWR) w0.152: v1(138,155.9) 138.076,155.976 138.076,156.176 139.65,157.75 v1(139.65,160)
  Bottom Layer w0.152: R49.2@137.4,158.4 138.05,158.4 v1(139.65,160) U12.1@139.65,161.5 ; v1(138,155.9) 138.028,155.873 139.632,155.873 U17.6@139.659,155.845
TCK: JTAG.4 U1.6 | length 4.7
  Top Layer w0.152: v1(101.168,89.255) JTAG.4@101.168,92.405
  Bottom Layer w0.152: U1.6@101.168,87.72 v1(101.168,89.255)
TDI: JTAG.8 U1.5 | length 7.9
  Top Layer w0.152: JTAG.8@98.679,92.456 98.679,90.424 v1@99.06,90.043
  Bottom Layer w0.152: v1(98.984,90.119) 101.524,90.119 102.438,89.205 U1.5@102.438,87.72
TDO: JTAG.6 U1.7 | length 4.7
  Top Layer w0.152: v1(99.898,89.205) JTAG.6@99.898,92.405
  Bottom Layer w0.152: U1.7@99.898,87.72 v1(99.898,89.205)
TMS: JTAG.2 U1.4 | length 5.3
  Top Layer w0.152: JTAG.2@102.489,92.456 102.489,90.424 v1@103.784,89.129
  Bottom Layer w0.152: U1.4@103.708,87.72 v1(103.708,89.205)
UART_RX: P11.2 U1.24 | length 3.4
  Bottom Layer w0.152: P11.2@101.727,108.204 101.727,108.14 102.387,107.48 U1.24@102.387,105.124
UART_TX: P11.3 U1.25 | length 3.3
  Bottom Layer w0.152: U1.25@103.657,105.124 103.657,107.43 104.267,108.04 P11.3@104.267,108.204
V_SEL: R26.1 R27.2 U18.13 | length 11.7
  Bottom Layer w0.152: R27.2@129.413,156.845 130.683,156.845 ; U18.13@131.09,148.38 131.064,148.406 131.064,150.749 130.683,151.13 130.683,156.845 ; R26.1@132.485,156.845 130.683,156.845
VBAT_D: C7.2 C8.2 D1.K U3.1 | length 14.1
  Top Layer w0.508: v1(149.479,54.356) 149.49,54.356 150.142,53.704 C8.2@153.797,53.704
  Bottom Layer w0.508: D1.K@148.082,52.349 148.082,53.594 148.844,54.356 v1(149.479,54.356) 150.876,54.356 ; C7.2@150.749,52.349 150.749,54.229 150.876,54.356 ; U3.1@153.924,54.356 150.876,54.356
VBAT_F: C4.2 C5.2 C11.2 C16.2 L1.1 U2.22 U2.23 U4.4 U4.5 | length 48
  Bottom Layer w0.254: 149.479,66.294 149.606,66.421 U4.5@149.606,67.945 ; C16.2@150.556,65.913 U4.4@150.556,67.945
  Bottom Layer w0.508: U2.22@121.285,65.024 U2.23@121.285,62.484 123.825,59.944 145.161,59.944 ; C11.2@150.573,63.601 148.89,63.601 147.3,63.6 145.161,61.461 145.161,59.944 ; L1.1@154.156,59.944 C5.2@149.86,59.944 C4.2@147.04,59.944 145.161,59.944
VDD_PDOC: C33.2 C41.2 C43.2 C44.1 C45.1 C46.2 C47.2 R18.2 R22.1 R24.2 R25.2 R26.2 U12.5 U13.1 U17.8 U18.12 U18.17 | length 85.9
  Top Layer w0.152: U13.1@147.7,148.9 C33.2@147.7,150.9 v1(148.9,150.9)
  Int2 (PWR) w0.152: R22.1@148.726,162.859 148.9,162.685 148.9,149.098
  Int2 (PWR) w0.305: v1(129.413,152.019) 131.998,152.019 v1(133.69,150.327) 135.001,151.638 138.938,151.638 ; v1(138.938,152.273) 138.938,151.638 ; v1(145.542,153.289) 145.542,151.384 144.78,150.622 ; 148.9,149.098 146.304,149.098 144.78,150.622 ; 138.938,151.638 143.764,151.638 144.78,150.622
  Bottom Layer w0.152: C46.2@129.413,155.321 C44.1@129.413,153.543 v1(129.413,152.019) 129.413,151.384 130.44,150.357 U18.12@130.44,148.38 ; U18.17@133.69,148.38 v1(133.69,150.327) 134.185,150.822 C47.2@134.185,152.273 C45.1@134.185,154.533 R26.2@134.185,156.845 C43.2@136.652,156.845 U17.8@139.659,156.845 ; R18.2@134.202,163.202 R18.2@134.2,163.2 134.2,164.057 135.143,165 141.4,165 ; v1(138.938,152.273) R25.2@138.938,153.289 ; U12.5@139.65,163.862 C41.2@141,163.862 141,164.6 141.4,165 ; R24.2@143.94,153.289 v1(145.542,153.289) ; R22.1@148.726,162.859 146.585,165 141.4,165
pads on no net: D20.2 D23.2 JTAG.10 K1.4 K1.6 K1.8 K1.11 K2.4 K2.6 K2.8 K2.11 K3.4 K3.6 K3.8 K3.11 P1.9 P1.10 P1.13 P2. P3. P5. P6. P7. P8. P9. R37. R38. R40. R41. U1.8 U1.22 U2.9 U2.11 U13.3 U13.6 U16.4 U17.2 U17.7 U18.6 U18.15 U19.17 U23.2 U23.6 U23.7

## Polygon pours and split planes (outlines as drawn)
"0V (ISO)" on Bottom Layer "5V_TOP_1" (solid, remove dead copper, pour order 11): 136.652,142.367 136.652,132.842 136.017,132.207 136.017,92.964 121.031,77.978 64.389,77.978 64.389,116.713 66.04,118.364 93.218,118.364 100.457,111.125 118.364,111.125 118.364,132.334 128.397,142.367
0V on Bottom Layer "5V_TOP_1" (solid, pour order 3): 167.386,142.367 142.748,142.367 142.748,132.842 142.113,132.207 142.113,92.964 123.698,74.549 60.706,74.549 60.706,111.125 40.64,111.125 40.64,35.306 ccw(c43.18,35.306) 43.18,32.766 164.846,32.766 ccw(c164.846,35.306) 167.386,35.306 167.386,39.116
GND_PDOC on Bottom Layer "5V_TOP_1" (solid, pour order 10): 167.386,147.32 128.905,147.32 125.349,150.876 125.349,165.735 164.846,165.735 cw(c164.846,163.195) 167.386,163.195 167.386,162.179
5V on Bottom Layer "5V_TOP_1" (solid, pour order 1): 147.066,74.041 147.066,71.755 145.542,70.231 141.986,70.231 141.859,70.358 141.859,74.041 142.113,74.295 146.812,74.295
VBAT_F on Bottom Layer "5V_TOP_1" (solid, pour order 0): 151.13,66.929 151.257,66.802 151.257,62.738 151.13,62.611 147.193,62.611 147.066,62.738 147.066,66.802 147.193,66.929
"0V (ISO)" on Top Layer "5V_TOP_1" (solid, pour order 14): 136.652,142.367 136.652,132.842 136.017,132.207 136.017,92.964 121.031,77.978 64.389,77.978 64.389,116.713 66.04,118.364 93.218,118.364 100.457,111.125 118.364,111.125 118.364,132.334 128.397,142.367
0V on Top Layer "5V_TOP_1" (solid, pour order 6): 167.386,142.367 142.748,142.367 142.748,132.842 142.113,132.207 142.113,92.964 123.698,74.549 60.706,74.549 60.706,111.125 40.64,111.125 40.64,35.306 ccw(c43.18,35.306) 43.18,32.766 164.846,32.766 ccw(c164.846,35.306) 167.386,35.306 167.386,39.116
GND_PDOC on Top Layer "5V_TOP_1" (solid, pour order 7): 167.386,147.32 128.905,147.32 125.349,150.876 125.349,165.735 164.846,165.735 cw(c164.846,163.195) 167.386,163.195 167.386,162.179
"0V (ISO)" on Int2 (PWR) "5V_TOP_1" (solid, pour order 12): 136.652,142.367 136.652,132.842 136.017,132.207 136.017,92.964 121.031,77.978 64.389,77.978 64.389,116.713 66.04,118.364 93.218,118.364 100.457,111.125 118.364,111.125 118.364,132.334 128.397,142.367
0V on Int2 (PWR) "5V_TOP_1" (solid, pour order 5): 167.386,142.367 142.748,142.367 142.748,132.842 142.113,132.207 142.113,92.964 123.698,74.549 60.706,74.549 60.706,111.125 40.64,111.125 40.64,35.306 ccw(c43.18,35.306) 43.18,32.766 164.846,32.766 ccw(c164.846,35.306) 167.386,35.306 167.386,39.116
GND_PDOC on Int2 (PWR) "5V_TOP_1" (solid, pour order 8): 167.386,147.32 128.905,147.32 125.349,150.876 125.349,165.735 164.846,165.735 cw(c164.846,163.195) 167.386,163.195 167.386,162.179
"0V (ISO)" on Int1 (GND) "5V_TOP_1" (solid, pour order 13): 136.652,142.367 136.652,132.842 136.017,132.207 136.017,92.964 121.031,77.978 64.389,77.978 64.389,116.713 66.04,118.364 93.218,118.364 100.457,111.125 118.364,111.125 118.364,132.334 128.397,142.367
0V on Int1 (GND) "5V_TOP_1" (solid, pour order 4): 167.386,142.367 142.748,142.367 142.748,132.842 142.113,132.207 142.113,92.964 123.698,74.549 60.706,74.549 60.706,111.125 40.64,111.125 40.64,35.306 ccw(c43.18,35.306) 43.18,32.766 164.846,32.766 ccw(c164.846,35.306) 167.386,35.306 167.386,39.116
GND_PDOC on Int1 (GND) "5V_TOP_1" (solid, pour order 9): 167.386,147.32 128.905,147.32 125.349,150.876 125.349,165.735 164.846,165.735 cw(c164.846,163.195) 167.386,163.195 167.386,162.179

## Keep-outs
Keep-Out Layer:
  circle w0.254: c46.228,137.414 r4.8
  circle w0.254: c162.052,160.401 r4.8
  circle w0.254: c162.052,38.1 r4.8
  circle w0.254: c45.974,38.1 r4.8

## Silkscreen, mask and mechanical layers (free items; w line width, h text height)
Top Overlay:
  drawing of 48 lines, arcs and shapes, not listed
  text "BATTERY -" at 56.981,160.904 h2
  text "BATTERY +" at 122.306,147.786 h2 r90
  text "PDOC REF" at 152.6,147.7 h2
  text "RESET" at 114.102,101.235 h2
  text "DEBUG" at 81.487,93.819 h2
  text "AMS Master A2 / 16/09/2024 / L.D & E.M.J" at 42.7,72.9 h1.5
  text "5V" at 140.4,65.5 h2
  text "CAN 2 TERM." at 85.29,64.482 h2
  text "CAN 1 TERM." at 105.991,64.482 h2
  text "AIR-" at 70.144,55.769 h2
  text "AIR+" at 56.809,55.642 h2
  text "AIR PWR" at 71.954,41.39 h2
Bottom Overlay:
  circle w0.254: c46.228,137.414 r5
  circle w0.254: c162.052,38.1 r5
  circle w0.254: c162.052,160.401 r5
  circle w0.254: c45.974,38.1 r5
  lines w0.254: 40.64,111.125 60.706,111.125 60.706,74.549 123.698,74.549 128.524,79.375 142.113,92.964 142.113,98.171 ; 64.389,107.696 64.389,116.713 66.04,118.364 93.218,118.364 100.457,111.125 118.364,111.125 118.364,128.778 118.364,132.334 128.397,142.367 130.302,142.367 ; 64.389,110.871 64.389,77.978 121.031,77.978 136.017,92.964 136.017,100.838 136.017,132.207 136.652,132.842 136.652,142.367 130.429,142.367 ; 125.349,165.608 125.349,150.876 128.905,147.32 167.386,147.32 ; 136.017,124.46 136.017,129.54 ; 142.113,98.298 142.113,132.207 142.748,132.842 142.748,142.367 167.386,142.367 ; 142.113,124.46 142.113,129.54
  text "BATTERY +" at 122.306,160.595 h2 r90
  text "BATTERY -" at 59.822,160.087 h2 r90
Mechanical 1:
  lines w0.254: 40.64,35.188 ccw(c42.808,35.188) 41.275,33.655 ccw(c43.421,35.801) 43.421,32.766 45.212,32.766 98.425,32.766 162.179,32.766 164.964,32.766 ccw(c164.964,34.934) 166.497,33.401 ccw(c164.351,35.547) 167.386,35.547 167.386,161.417 167.386,162.433 167.386,162.954 ccw(c164.351,162.954) 166.497,165.1 ccw(c164.964,163.567) 164.964,165.735 164.084,165.735 162.052,165.735 43.053,165.735 42.808,165.735 ccw(c42.808,163.567) 41.275,165.1 ccw(c42.808,163.567) 40.64,163.567 40.64,163.322 40.64,86.392 40.64,35.188

## Text inside footprints (layer, text, board x,y; h text height)
C8: Top Overlay "+" at 151.003,55.499 h1.52 r90